# KiCad board pcb.kicad_pcb (continued)
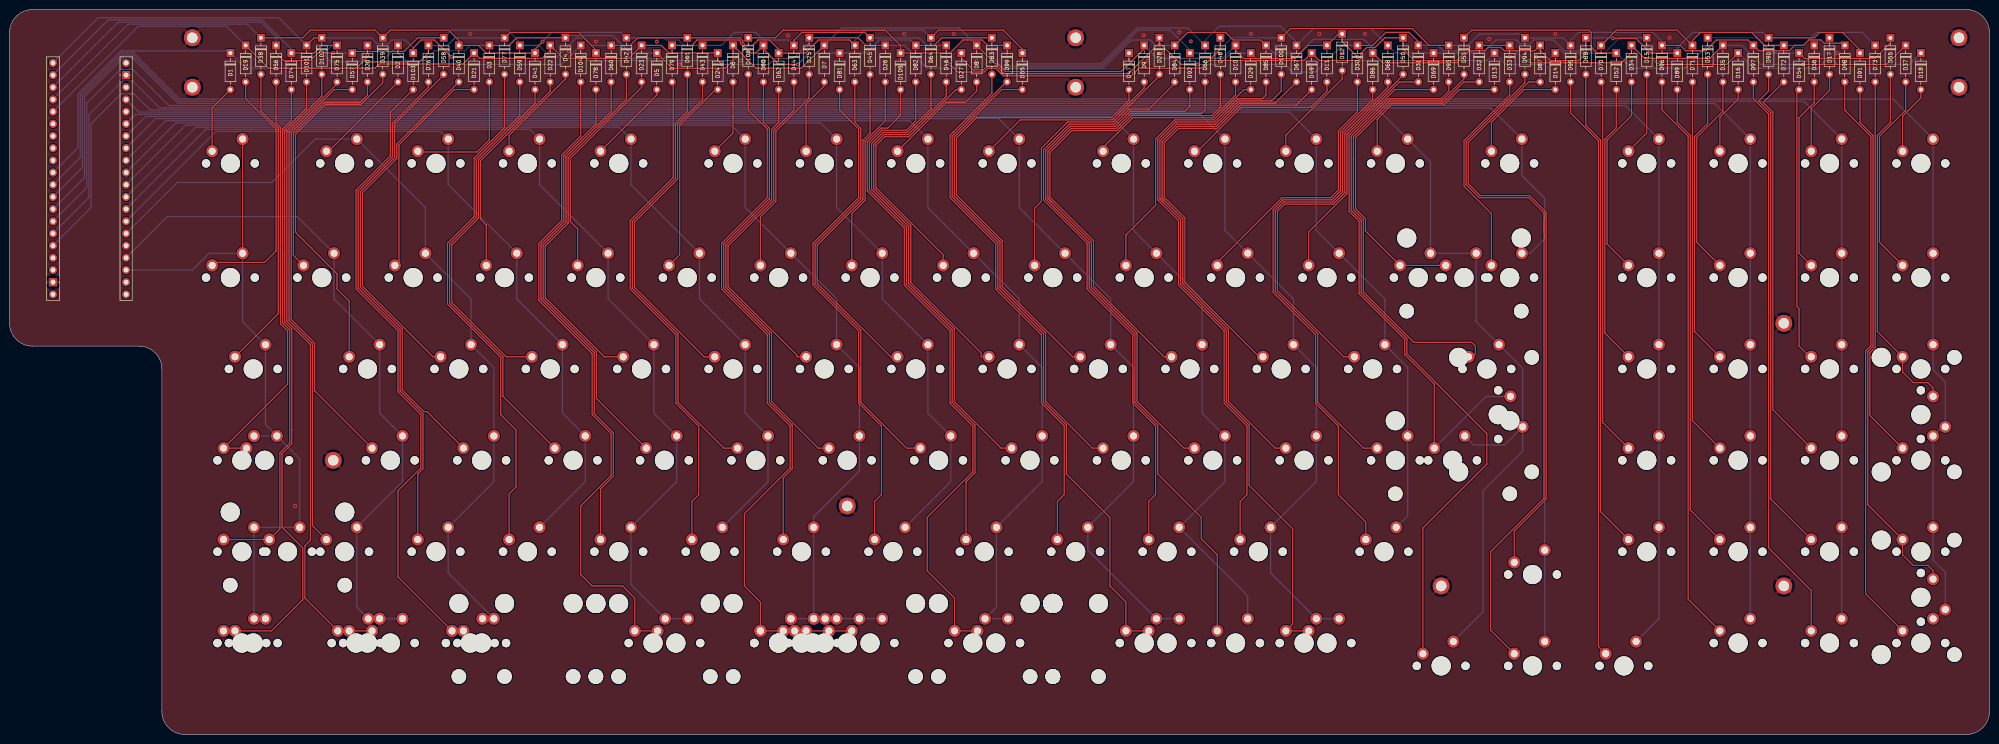
[diagram p0: board, top side]
## Nets
+3V3: U1.20 U1.38
GND: MH2.1 NOREF.1 NOREF#2.1 NOREF#3.1 NOREF#4.1 NOREF#5.1 NOREF#6.1 NOREF#7.1 NOREF#8.1 NOREF#9.1 NOREF#10.1 U1.19 U1.39
COL0: SW1.2 SW20.2 SW40.2 SW59.2 SW77.2 SW78.2 SW80.2 SW99.2 SW114.2 U1.23
COL1: SW21.2 SW41.2 SW60.2 SW81.2 SW98.2 SW113.2 SW121.2 U1.24
COL2: SW2.2 SW22.2 SW42.2 SW61.2 SW82.2 SW100.2 SW115.2 U1.26
COL3: SW3.2 SW23.2 SW43.2 SW62.2 SW83.2 U1.27
COL4: SW4.2 SW24.2 SW44.2 SW63.2 SW84.2 SW101.2 SW116.2 U1.28
COL5: SW5.2 SW25.2 SW45.2 SW64.2 SW85.2 U1.29
COL6: SW6.2 SW26.2 SW46.2 SW65.2 SW86.2 SW102.2 SW117.2 SW122.2 SW123.2 SW124.2 SW125.2 SW126.2 U1.30
COL7: SW7.2 SW27.2 SW47.2 SW66.2 SW87.2 U1.31
COL8: SW8.2 SW28.2 SW48.2 SW67.2 SW88.2 SW103.2 SW118.2 U1.32
COL9: SW9.2 SW29.2 SW49.2 SW68.2 SW89.2 SW104.2 SW119.2 U1.33
COL10: SW10.2 SW30.2 SW50.2 SW69.2 SW90.2 SW105.2 U1.34
COL11: SW11.2 SW31.2 SW51.2 SW70.2 SW91.2 SW106.2 SW120.2 U1.35
COL12: SW12.2 SW32.2 SW52.2 SW71.2 SW92.2 U1.37
COL13: SW13.2 SW19.2 SW33.2 SW53.2 SW58.2 SW72.2 SW107.2 U1.16
COL14: SW14.2 SW34.2 SW93.2 SW108.2 U1.15
COL15: SW15.2 SW35.2 SW54.2 SW73.2 SW94.2 SW109.2 U1.14
COL16: SW16.2 SW36.2 SW55.2 SW74.2 SW95.2 SW110.2 U1.13
COL17: SW17.2 SW37.2 SW56.2 SW75.2 SW96.2 SW111.2 U1.12
COL18: SW18.2 SW38.2 SW39.2 SW57.2 SW76.2 SW79.2 SW97.2 SW112.2 U1.11
ROW0: D1.1 D2.1 D3.1 D4.1 D5.1 D6.1 D7.1 D8.1 D9.1 D10.1 D11.1 D12.1 D13.1 D14.1 D15.1 D16.1 D17.1 D18.1 U1.10
ROW1: D19.1 D20.1 D21.1 D22.1 D23.1 D24.1 D25.1 D26.1 D27.1 D28.1 D29.1 D30.1 D31.1 D32.1 D33.1 D34.1 D35.1 D36.1 D37.1 U1.5
ROW2: D38.1 D39.1 D40.1 D41.1 D42.1 D43.1 D44.1 D45.1 D46.1 D47.1 D48.1 D49.1 D50.1 D51.1 D52.1 D53.1 D54.1 D55.1 U1.4
ROW3: D56.1 D57.1 D58.1 D59.1 D60.1 D61.1 D62.1 D63.1 D64.1 D65.1 D66.1 D67.1 D68.1 D69.1 D70.1 D71.1 D72.1 D73.1 U1.3
ROW4: D74.1 D75.1 D76.1 D77.1 D78.1 D79.1 D80.1 D81.1 D82.1 D83.1 D84.1 D85.1 D86.1 D87.1 D88.1 D89.1 D90.1 D91.1 U1.2
ROW5: D92.1 D93.1 D94.1 D95.1 D96.1 D97.1 D98.1 D99.1 D100.1 D101.1 D102.1 D103.1 D104.1 D105.1 D106.1 U1.1
Net-(D1-Pad2): D1.2 SW1.1
Net-(D2-Pad2): D2.2 SW2.1
Net-(D3-Pad2): D3.2 SW3.1
Net-(D4-Pad2): D4.2 SW4.1
Net-(D5-Pad2): D5.2 SW5.1
Net-(D6-Pad2): D6.2 SW6.1
Net-(D7-Pad2): D7.2 SW7.1
Net-(D8-Pad2): D8.2 SW8.1
Net-(D9-Pad2): D9.2 SW9.1
Net-(D10-Pad2): D10.2 SW10.1
Net-(D11-Pad2): D11.2 SW11.1
Net-(D12-Pad2): D12.2 SW12.1
Net-(D13-Pad2): D13.2 SW13.1
Net-(D14-Pad2): D14.2 SW14.1
Net-(D15-Pad2): D15.2 SW15.1
Net-(D16-Pad2): D16.2 SW16.1
Net-(D17-Pad2): D17.2 SW17.1
Net-(D18-Pad2): D18.2 SW18.1
Net-(D19-Pad2): D19.2 SW20.1
Net-(D20-Pad2): D20.2 SW21.1
Net-(D21-Pad2): D21.2 SW22.1
Net-(D22-Pad2): D22.2 SW23.1
Net-(D23-Pad2): D23.2 SW24.1
Net-(D24-Pad2): D24.2 SW25.1
Net-(D25-Pad2): D25.2 SW26.1
Net-(D26-Pad2): D26.2 SW27.1
Net-(D27-Pad2): D27.2 SW28.1
Net-(D28-Pad2): D28.2 SW29.1
Net-(D29-Pad2): D29.2 SW30.1
Net-(D30-Pad2): D30.2 SW31.1
Net-(D31-Pad2): D31.2 SW32.1
Net-(D32-Pad2): D32.2 SW19.1 SW33.1
Net-(D33-Pad2): D33.2 SW34.1
Net-(D34-Pad2): D34.2 SW35.1
Net-(D35-Pad2): D35.2 SW36.1
Net-(D36-Pad2): D36.2 SW37.1
Net-(D37-Pad2): D37.2 SW38.1
Net-(D38-Pad2): D38.2 SW40.1
Net-(D39-Pad2): D39.2 SW41.1
Net-(D40-Pad2): D40.2 SW42.1
Net-(D41-Pad2): D41.2 SW43.1
Net-(D42-Pad2): D42.2 SW44.1
Net-(D43-Pad2): D43.2 SW45.1
Net-(D44-Pad2): D44.2 SW46.1
Net-(D45-Pad2): D45.2 SW47.1
Net-(D46-Pad2): D46.2 SW48.1
Net-(D47-Pad2): D47.2 SW49.1
Net-(D48-Pad2): D48.2 SW50.1
Net-(D49-Pad2): D49.2 SW51.1
Net-(D50-Pad2): D50.2 SW52.1
Net-(D51-Pad2): D51.2 SW53.1
Net-(D52-Pad2): D52.2 SW54.1
Net-(D53-Pad2): D53.2 SW55.1
Net-(D54-Pad2): D54.2 SW56.1
Net-(D55-Pad2): D55.2 SW39.1 SW57.1
Net-(D56-Pad2): D56.2 SW59.1 SW77.1
Net-(D57-Pad2): D57.2 SW60.1
Net-(D58-Pad2): D58.2 SW61.1
Net-(D59-Pad2): D59.2 SW62.1
Net-(D60-Pad2): D60.2 SW63.1
Net-(D61-Pad2): D61.2 SW64.1
Net-(D62-Pad2): D62.2 SW65.1
Net-(D63-Pad2): D63.2 SW66.1
Net-(D64-Pad2): D64.2 SW67.1
Net-(D65-Pad2): D65.2 SW68.1
Net-(D66-Pad2): D66.2 SW69.1
Net-(D67-Pad2): D67.2 SW70.1
Net-(D68-Pad2): D68.2 SW71.1
Net-(D69-Pad2): D69.2 SW58.1 SW72.1
Net-(D70-Pad2): D70.2 SW73.1
Net-(D71-Pad2): D71.2 SW74.1
Net-(D72-Pad2): D72.2 SW75.1
Net-(D73-Pad2): D73.2 SW76.1
Net-(D74-Pad2): D74.2 SW78.1 SW80.1
Net-(D75-Pad2): D75.2 SW81.1
Net-(D76-Pad2): D76.2 SW82.1
Net-(D77-Pad2): D77.2 SW83.1
Net-(D78-Pad2): D78.2 SW84.1
Net-(D79-Pad2): D79.2 SW85.1
Net-(D80-Pad2): D80.2 SW86.1
Net-(D81-Pad2): D81.2 SW87.1
Net-(D82-Pad2): D82.2 SW88.1
Net-(D83-Pad2): D83.2 SW89.1
Net-(D84-Pad2): D84.2 SW90.1
Net-(D85-Pad2): D85.2 SW91.1
Net-(D86-Pad2): D86.2 SW92.1
Net-(D87-Pad2): D87.2 SW93.1
Net-(D88-Pad2): D88.2 SW94.1
Net-(D89-Pad2): D89.2 SW95.1
Net-(D90-Pad2): D90.2 SW96.1
Net-(D91-Pad2): D91.2 SW79.1 SW97.1
Net-(D92-Pad2): D92.2 SW105.1
Net-(D93-Pad2): D93.2 SW107.1
Net-(D94-Pad2): D94.2 SW108.1
Net-(D95-Pad2): D95.2 SW109.1
Net-(D96-Pad2): D96.2 SW110.1
Net-(D97-Pad2): D97.2 SW111.1
Net-(D98-Pad2): D98.2 SW112.1
Net-(D99-Pad2): D99.2 SW104.1 SW119.1
Net-(D100-Pad2): D100.2 SW106.1 SW120.1
Net-(D101-Pad2): D101.2 SW99.1 SW114.1
Net-(D102-Pad2): D102.2 SW98.1 SW113.1 SW121.1
Net-(D103-Pad2): D103.2 SW100.1 SW115.1
Net-(D104-Pad2): D104.2 SW101.1 SW116.1
Net-(D105-Pad2): D105.2 SW103.1 SW118.1
Net-(D106-Pad2): D106.2 SW102.1 SW117.1 SW122.1 SW123.1 SW124.1 SW125.1 SW126.1

Pads without a net: U1 6 7 8 9 17 18 21 22 25 36 40

## Via types
v1: diameter 0.8, hole 0.4, Top to Bottom, 45 vias

## Routing (per net, layer and track width the routed paths; a pad name or vN(x,y) marks a point on that pad's centre or on a via; arc(x,y) is an arc through that point)
GND:
  vias: v1(59.53,47.62) v1(96.04,146.05) v1(116.58,142.45) v1(122.24,144.46) v1(139.7,139.7) v1(152.4,140.49) v1(162.31,145.72) v1(186.53,146.05) v1(192.09,140.49) v1(196.85,146.05) v1(201.61,140.49) v1(236.43,145.75) v1(237.33,140.49) v1(243.83,146.42) v1(258.76,146.05) v1(271.17,139.53) v1(273.05,146.05) v1(282.57,146.05) v1(308.46,145) v1(312.74,141.29) v1(318.29,141.29) v1(322.26,146.05) v1(346.07,145.26) v1(381,142.08)
(no net):
  vias: v1(134.94,144.46) v1(141.29,141.29) v1(157.16,140.49) v1(240.51,142.08) v1(246.26,144.5) v1(277.81,142.08)
COL0: length 147.3
  Top w0.25: SW1.2 SW20.2
  Bottom w0.25: U1.23 38.1,96.84 41.59,100.33 SW20.2 48.58,86.04 SW40.2 53.34,64.61 SW59.2 ; SW59.2 60.48,57.47 SW78.2 SW80.2 SW99.2 SW114.2 ; SW59.2 SW77.2
COL1: length 144.2
  Bottom w0.25: SW113.2 SW98.2 72.39,26.51 SW81.2 81.92,52.71 SW60.2 77.15,66.99 SW41.2 67.63,90.81 SW21.2 60.01,107.95 32.86,107.95 U1.24
COL2: length 178.4
  Bottom w0.25: U1.26 34.92,115.09 54.69,115.09 63.74,124.14 SW2.2 86.68,109.85 SW22.2 96.2,90.81 SW42.2 100.96,76.52 SW61.2 100.96,52.71 91.44,43.18 91.44,33.66 SW115.2 SW100.2
COL3: length 172.3
  Bottom w0.25: U1.27 43.01,125.72 89.87,125.72 91.44,124.14 91.44,114.62 SW23.2 105.73,90.81 SW43.2 115.25,66.99 SW62.2 120.02,52.71 SW83.2
COL4: length 217.4
  Bottom w0.25: U1.28 40.92,126.17 108.47,126.17 SW4.2 110.49,114.62 SW24.2 124.78,90.81 SW44.2 134.3,66.99 SW63.2 139.06,52.71 SW84.2 129.54,31.27 SW116.2 SW101.2
COL5: length 209
  Bottom w0.25: U1.29 38.83,126.62 127.07,126.62 SW5.2 129.54,114.62 SW25.2 143.83,90.81 SW45.2 153.35,66.99 SW64.2 158.12,52.71 SW85.2
COL6: length 268.3
  Bottom w0.25: U1.30 36.74,127.07 150.43,127.07 SW6.2 153.35,109.85 SW26.2 172.4,90.81 SW46.2 177.17,76.52 SW65.2 177.17,54.93 167.64,45.4 SW86.2 SW126.2 ; SW123.2 SW124.2
COL7: length 248.6
  Bottom w0.25: U1.31 34.65,127.52 169.03,127.52 SW7.2 172.4,109.85 SW27.2 181.93,90.81 SW47.2 191.45,66.99 SW66.2 196.21,52.71 SW87.2
COL8: length 291.7
  Bottom w0.25: U1.32 32.56,127.96 187.63,127.96 SW8.2 191.45,109.85 SW28.2 210.5,90.81 SW48.2 215.26,76.52 SW67.2 215.26,52.71 SW88.2 205.74,26.51 SW118.2 SW103.2
COL9: length 315
  Bottom w0.25: SW119.2 SW104.2 224.79,38.42 224.79,43.18 234.31,52.71 SW68.2 234.31,76.52 SW49.2 229.55,90.81 SW29.2 210.5,109.85 SW9.2 206.23,128.41 30.47,128.41 U1.33
COL10: length 331.4
  Bottom w0.25: U1.34 28.37,128.86 229.59,128.86 SW10.2 234.31,105.09 SW30.2 248.6,90.81 SW50.2 248.6,66.99 SW69.2 253.37,52.71 SW90.2 258.13,28.89 SW105.2
COL11: length 352.6
  Bottom w0.25: U1.35 26.28,129.31 248.19,129.31 SW11.2 253.37,105.09 SW31.2 267.65,90.81 SW51.2 272.41,76.52 SW70.2 272.41,52.71 SW91.2 262.89,33.66 SW120.2 SW106.2
COL12: length 341.4
  Bottom w0.25: SW92.2 291.46,45.56 SW71.2 291.46,76.52 SW52.2 286.7,90.81 SW32.2 272.41,105.09 SW12.2 266.79,129.76 26.92,129.76 U1.37
COL13: length 450.5
  Bottom w0.25: 42.9,130.21 285.4,130.21 SW13.2 296.23,119.38 SW33.2 SW19.2 305.75,86.36 305.59,86.2 SW53.2 315.44,76.36 SW58.2 ; 42.9,130.21 42.86,130.21 ; 42.9,130.21 29.33,130.21 25.97,133.57 23.24,133.57 16.98,127.32 16.98,109.85 U1.16 ; SW58.2 315.44,59.06 307.16,50.78 307.16,25.54 SW107.2 ; SW58.2 311.65,60.35 305.26,60.35 SW72.2
COL14: length 452.6
  Bottom w0.25: 320.04,108.59 320.04,103.35 317.02,100.33 SW34.2 ; 320.04,108.59 320.04,111.76 315.28,116.52 SW14.2 308.76,130.66 31.26,130.66 25.62,136.3 23.59,136.3 16.54,129.25 16.54,111.94 U1.15 ; 320.04,108.59 SW108.2
COL15: length 471
  Bottom w0.25: 339.09,19.37 343.85,24.13 SW94.2 SW15.2 336.88,131.11 33.19,131.11 25.65,138.65 23.11,138.65 16.09,131.62 16.09,114.03 U1.14
COL16: length 483.9
  Bottom w0.25: SW110.2 SW16.2 355.48,131.56 35.13,131.56 25.5,141.19 23.8,141.19 15.64,133.03 15.64,116.12 U1.13
COL17: length 501.2
  Bottom w0.25: SW111.2 SW17.2 374.08,132.01 35.31,132.01 25.68,141.64 23.62,141.64 15.19,133.21 15.19,118.22 U1.12
COL18: length 523.4
  Bottom w0.25: U1.11 14.74,120.31 14.74,133.4 23.43,142.09 25.87,142.09 35.5,132.46 392.69,132.46 SW18.2 SW57.2 401,76.04 403.54,73.5 SW39.2 402.91,64.13 SW76.2 SW97.2 401,36.35 403.54,33.81 SW79.2 401.64,24.13 SW112.2
ROW0: length 459.9
  Top w0.25: D16.1 357.98,139.7 v1(343.69,139.7) ; D8.1 205.48,139.81 205.95,139.81 207.54,138.22 231.75,138.22 236.54,143.01 D9.1 ; D7.1 165.1,138.91 155.57,138.91 D6.1 150.81,140.49 149.23,138.91 138.11,138.91 D5.1 ; D4.1 105.7,145.26 104.11,143.67 D3.1 ; v1(280.99,141.29) 277.81,144.46 D12.1 277.02,146.05 D11.1 270.67,143.67 267.94,140.94 257.26,140.94 255.59,142.62 D10.1
  Bottom w0.25: D10.1 252.88,140.96 239.25,140.96 D9.1 ; D18.1 396.08,139.7 381,139.7 379.41,141.29 ; v1(343.69,139.7) 341.31,142.08 D15.1 335.62,145.26 332.46,142.09 323.99,142.09 323.14,142.95 D14.1 319.88,139.7 311.94,139.7 D13.1 307.97,140.49 281.78,140.49 v1(280.99,141.29) ; D16.1 363.54,138.91 377.03,138.91 379.41,141.29 ; 379.41,141.29 D17.1 ; D3.1 96.04,143.67 94.92,142.54 88.57,142.54 86.52,140.49 82.55,140.49 80.96,142.08 D2.1 76.2,138.91 49.21,138.91 D1.1 45.58,142.54 23.24,142.54 14.29,133.58 14.29,122.4 U1.10 ; D8.1 197.99,147.29 173.49,147.29 D7.1 ; D4.1 116.34,145.71 125.76,145.71 129.38,142.08 D5.1
ROW1: length 452
  Top w0.25: 71.44,138.91 76.2,138.91 77.08,139.78 94.54,139.78 D21.1 97.96,140.96 111.05,140.96 112.71,142.62 D22.1 115.42,140.96 129.05,140.96 D23.1 135.86,143.67 137.45,142.08 D24.1 147.64,140.49 v1(148.43,139.7) ; 71.44,138.91 53.98,138.91 D19.1 ; 71.44,138.91 72.23,138.91 74.61,141.29 v1(74.61,141.68) ; D37.1 391.32,139.7 v1(373.86,139.7) ; 239.71,144.21 244.22,139.7 v1(247.65,139.7) ; 239.71,144.21 233.27,137.77 207.35,137.77 205.77,139.36 203.81,139.36 203.01,138.56 200.91,138.56 198.44,141.03 D27.1 ; 239.71,144.21 D28.1 ; D25.1 176.87,145.26 178.46,143.67 D26.1 ; D31.1 293.69,144.46 291.77,146.38 286.87,146.38 284.16,143.67 D30.1 ; v1(316.71,140.49) 317.16,140.04 336.1,140.04 338.14,142.08 D34.1 340.85,140.96 354.48,140.96 D35.1 ; D32.1 D33.1
  Bottom w0.25: D36.1 376.24,142.08 v1(373.86,139.7) 365.12,139.7 361.16,143.67 D35.1 ; v1(247.65,139.7) 252.25,139.7 254.64,142.08 D29.1 261.14,139.7 265.91,139.7 267.49,138.11 272.26,138.11 277.81,143.67 D30.1 ; D25.1 166.69,144.21 163.44,140.96 159.54,140.96 158.29,139.7 v1(148.43,139.7) ; D26.1 186.53,143.67 191.29,138.91 197.64,138.91 198.44,139.7 D27.1 ; D33.1 315.91,140.49 v1(316.71,140.49) ; D31.1 297.79,143.67 298.91,142.54 305.26,142.54 D32.1 ; v1(74.61,141.68) D20.1 ; U1.5 26.83,147.64 45.24,147.64 D19.1
ROW2: length 445.2
  Top w0.25: D38.1 61.12,145.26 62.71,146.84 76.2,146.84 D39.1 79.38,146.84 91.54,146.84 93.66,144.72 D40.1 97.76,143.67 99.35,142.08 D41.1 109.54,142.88 v1(111.13,144.46) ; D48.1 252.41,142.88 250.03,140.49 ; 250.03,140.49 269.88,140.49 D49.1 273.05,140.49 281.22,140.49 281.71,140.99 281.71,142.01 282.92,143.22 284.64,143.22 286.68,145.26 D50.1 290.51,142.88 292.89,140.49 301.62,140.49 303.21,142.08 D51.1 304.8,146.84 329.27,146.84 329.74,146.38 329.74,143.34 330.99,142.08 D52.1 ; 250.03,140.49 248.44,138.91 235.44,138.91 v1(234.4,137.87) 233.85,137.32 207.17,137.32 205.58,138.91 203.99,138.91 203.2,138.11 197.64,138.11 v1(196.06,139.7) ; D55.1 392.11,144.21 388.86,140.96 374.19,140.96 D54.1 ; D44.1 163.51,144.72 165.17,146.38 178.26,146.38 D45.1
  Bottom w0.25: D44.1 162.39,144.79 157.16,144.79 155.57,146.38 151.14,146.38 148.43,143.67 D43.1 140.63,143.67 139.5,144.79 136.99,144.79 136.52,145.26 D42.1 127.46,146.38 113.04,146.38 v1(111.13,144.46) ; v1(196.06,139.7) 195.26,140.49 D46.1 191.16,143.67 189.57,145.26 D45.1 ; U1.4 24.74,148.09 49.56,148.09 D38.1 ; D52.1 338.14,138.91 349.25,138.91 354.01,143.67 D53.1 364.2,145.26 367.37,142.08 D54.1 ; v1(234.4,137.87) 234.4,139.46 233.36,140.49 D47.1
ROW3: length 434.5
  Top w0.25: D64.1 193.68,146.84 207.17,146.84 211.14,142.88 D65.1 ; D63.1 175.09,144.79 168.61,144.79 165.89,142.08 D62.1 160.34,142.88 158.42,144.79 156.04,144.79 154.91,143.67 153.43,143.67 152.85,144.25 152.85,144.65 152.24,145.26 D61.1 130.97,145.26 129.38,143.67 D60.1 ; D58.1 85.06,145.26 82.21,142.41 71.76,142.41 D57.1 ; D56.1 55.56,142.08 57.15,140.49 62.71,140.49 64.29,142.08 v1(67.47,142.08) ; D70.1 334.96,146.84 347.66,146.84 D71.1 350.84,144.72 352.5,146.38 363.21,146.38 365.92,143.67 D72.1
  Bottom w0.25: D63.1 176.21,144.72 178.34,146.84 190.5,146.84 D64.1 ; D60.1 121.44,143.67 119.86,145.26 118.14,145.26 114.17,141.29 112.71,141.29 110.33,143.67 D59.1 106.36,144.33 103.85,146.84 92.08,146.84 D58.1 ; D73.1 386.23,146.38 376.7,146.38 373.99,143.67 D72.1 ; v1(67.47,142.08) D57.1 ; D56.1 55.56,145.41 52.44,148.54 22.65,148.54 U1.3 ; D65.1 211.14,140.49 211.83,139.81 227.57,139.81 235.05,147.29 245.61,147.29 D66.1 249.24,144.72 252.16,147.64 264.98,147.64 268.29,144.33 D67.1 271.79,147.17 283.83,147.17 D68.1 288.93,142.08 D69.1 307.18,142.08 309.91,144.81 314.11,144.81 314.79,144.13 317.04,144.13 317.71,144.81 321.92,144.81 324.18,142.54 330.66,142.54 D70.1
ROW4: length 437.3
  Top w0.25: v1(164.31,139.7) 160.34,139.7 157.16,142.88 D80.1 155.57,142.08 154.38,142.08 152.4,144.07 152.4,144.46 152.07,144.79 143.34,144.79 142.54,144 142.54,143.67 D79.1 ; D83.1 194.34,145.26 192.75,143.67 D82.1 ; D90.1 376.24,145.26 377.36,146.38 382.12,146.38 385.76,142.74 D91.1 ; D76.1 87.31,142.08 85.46,140.23 v1(74.73,140.23) ; D88.1 328.61,142.08 327.02,140.49 321.21,140.49 319.09,142.62 D87.1 317.96,142.54 311.61,142.54 310.94,143.22 308.19,143.22 307.51,142.54 304.31,142.54 301.81,140.04 286.2,140.04 D86.1 ; v1(334.28,145.14) 339.05,145.14 342.11,142.08 D89.1 ; D74.1 63.5,142.08 65.09,143.67 D75.1 ; D85.1 260.81,144.79 255.12,144.79 253.54,146.38 245.6,146.38 D84.1 ; D78.1 122.24,142.74 118.6,146.38 104.31,146.38 D77.1
  Bottom w0.25: D79.1 138.11,142.62 136.45,140.96 123.36,140.96 D78.1 ; D86.1 284.16,143.13 282.37,144.93 271.79,144.93 268.95,142.08 263.52,142.08 D85.1 ; D88.1 334.17,145.26 v1(334.28,145.14) ; D84.1 238.92,143.67 237.79,144.79 233.83,144.79 227.94,138.91 207.17,138.91 204.79,141.29 D83.1 ; D76.1 91.28,143.67 92.87,145.26 D77.1 ; v1(74.73,140.23) 66.94,140.23 65.88,141.29 65.88,142.34 67.21,143.67 D75.1 ; D74.1 58.74,142.88 52.63,148.99 20.56,148.99 U1.2 ; D82.1 187.79,144.79 181.31,144.79 178.59,142.08 D81.1 166.69,142.08 v1(164.31,139.7) ; D89.1 347.66,143.13 350.91,146.38 365.59,146.38 D90.1
ROW5: length 420.9
  Top w0.25: D101.1 63.5,145.26 D102.1 ; D100.1 267.03,147.17 292.43,147.17 295.94,143.67 D93.1 ; D99.1 203.86,143.67 202.74,144.79 199.69,144.79 199.68,144.81 198.78,144.81 196.06,142.08 D105.1 185.74,143.67 182.58,146.83 161.28,146.83 161.26,146.84 159.68,145.26 D106.1 ; v1(92.08,141.29) 88.57,144.79 85.8,144.79 84.14,143.13 D103.1 ; D98.1 382.12,144.13 378.29,144.13 377.61,144.81 375.13,144.81 373.99,143.67 372.14,143.67 371.01,142.54 364.66,142.54 D97.1 362.41,144.79 355.81,144.79 353.56,142.54 349.45,142.54 348.32,143.67 D96.1
  Bottom w0.25: D93.1 304.01,143.67 306.39,146.05 315.12,146.05 D94.1 323.85,145.26 D95.1 325.44,144.72 327.1,146.38 342.57,146.38 344.49,144.46 D96.1 ; D102.1 75.41,145.26 76.53,144.13 79.04,144.13 79.71,144.79 82.48,144.79 84.14,143.13 D103.1 ; D99.1 207.96,139.7 208.31,139.36 227.75,139.36 235.24,146.84 241.96,146.84 246.06,142.74 D92.1 251.62,142.08 254.79,145.26 D100.1 ; D106.1 153.99,143.67 150.81,140.49 120.65,140.49 119.06,142.08 D104.1 115.09,139.7 93.66,139.7 v1(92.08,141.29) ; D101.1 56.15,149.44 18.47,149.44 U1.1
Net-(D1-Pad2): length 14.4
  Top w0.25: D1.2 42.23,130.65 SW1.1
Net-(D2-Pad2): length 20.9
  Top w0.25: SW2.1 66.52,121.6 D2.2
Net-(D3-Pad2): length 28.1
  Top w0.25: D3.2 100.01,123.99 97.47,121.44 85.25,121.44 SW3.1
Net-(D4-Pad2): length 21
  Top w0.25: SW4.1 104.14,124.94 115.73,136.53 115.89,136.53 D4.2
Net-(D5-Pad2): length 17.7
  Top w0.25: D5.2 134.94,133.35 SW5.1
Net-(D6-Pad2): length 16
  Top w0.25: D6.2 150.81,125.41 SW6.1
Net-(D7-Pad2): length 16
  Top w0.25: SW7.1 166.05,131.44 169.86,135.25 D7.2
Net-(D8-Pad2): length 23.6
  Top w0.25: D8.2 201.61,134.14 199.23,131.76 195.26,131.76 SW8.1
Net-(D9-Pad2): length 39.1
  Top w0.25: D9.2 236.54,134.78 229.9,128.14 210.69,128.14 SW9.1
Net-(D10-Pad2): length 35.7
  Top w0.25: SW10.1 227.96,122.4 231.01,125.44 231.01,125.44 234.16,128.59 250.82,128.59 255.59,133.35 D10.2
Net-(D11-Pad2): length 35.6
  Top w0.25: 247.65,122.24 SW11.1 247.65,121.6 256.81,130.76 271.25,130.76 274.64,134.14 D11.2
Net-(D12-Pad2): length 22.6
  Top w0.25: D12.2 277.81,136.68 266.06,124.94 SW12.1 266.7,122.24
Net-(D13-Pad2): length 33.7
  Top w0.25: D13.2 302.26,134.46 299.01,131.21 288.06,131.21 285.12,128.26 SW13.1
Net-(D14-Pad2): length 22.2
  Top w0.25: D14.2 315.76,134.46 308.93,127.63 SW14.1
Net-(D15-Pad2): length 17.6
  Top w0.25: SW15.1 341.31,125.41 D15.2
Net-(D16-Pad2): length 14.4
  Top w0.25: SW16.1 356.55,128.67 360.36,132.48 D16.2
Net-(D17-Pad2): length 17.6
  Top w0.25: SW17.1 375.6,130.49 379.41,134.3 D17.2
Net-(D18-Pad2): length 14.4
  Top w0.25: SW18.1 394.65,128.9 398.46,132.71 D18.2
Net-(D19-Pad2): length 52.5
  Top w0.25: SW20.1 42.86,98.43 53.18,98.43 55.56,100.81 55.56,126.21 49.21,132.56 D19.2
Net-(D20-Pad2): length 49.9
  Top w0.25: D20.2 74.61,133.35 73.02,131.76 65.65,131.76 59.16,125.28 59.16,99.91 SW21.1
Net-(D21-Pad2): length 45.9
  Top w0.25: D21.2 92.71,134.46 81.17,122.92 81.17,98.64 SW22.1
Net-(D22-Pad2): length 44.8
  Top w0.25: SW23.1 99.38,106.2 98.19,107.4 98.19,119.62 112.71,134.14 D22.2
Net-(D23-Pad2): length 45.1
  Top w0.25: SW24.1 118.43,105.41 116.89,106.95 116.89,120.07 131.76,134.94 D23.2
Net-(D24-Pad2): length 41.2
  Top w0.25: SW25.1 139.7,100.01 139.7,127 147.16,134.46 D24.2
Net-(D25-Pad2): length 44.1
  Top w0.25: D25.2 166.69,132.71 159.75,125.78 159.75,111.17 156.53,107.95 SW26.1
Net-(D26-Pad2): length 41.2
  Top w0.25: D26.2 182.56,127.95 178.35,123.74 178.35,111.36 175.58,108.58 SW27.1
Net-(D27-Pad2): length 53.5
  Top w0.25: SW28.1 194.63,100.02 180.6,114.04 180.6,122.81 182.41,124.62 187.48,124.62 197.33,134.46 D27.2
Net-(D28-Pad2): length 56.2
  Top w0.25: SW29.1 213.68,109.7 215.11,111.12 215.11,122.24 220.56,127.69 230.08,127.69 239.71,137.32 D28.2
Net-(D29-Pad2): length 53
  Top w0.25: D29.2 257.33,134.46 251.01,128.14 242.91,128.14 238.92,124.14 238.92,110.33 232.73,104.14 SW30.1
Net-(D30-Pad2): length 56.3
  Top w0.25: D30.2 280.99,129.86 277.02,125.89 277.02,113.51 275.43,111.92 265.27,111.92 251.78,98.43 SW31.1
Net-(D31-Pad2): length 50.1
  Top w0.25: D31.2 289.72,136.05 278.82,125.15 278.82,112.76 270.83,104.77 SW32.1
Net-(D32-Pad2): length 70.6
  Top w0.25: D32.2 303.21,136.05 298.82,131.66 287.87,131.66 280.61,124.4 280.61,109.59 282.68,107.53 282.68,104.99 SW33.1 SW19.1
Net-(D33-Pad2): length 44.6
  Top w0.25: SW34.1 308.93,108.59 303.21,114.3 303.21,123.82 312.74,133.35 D33.2
Net-(D34-Pad2): length 42.2
  Top w0.25: SW35.1 333.03,102.26 333.03,123.93 338.14,129.04 D34.2
Net-(D35-Pad2): length 42.5
  Top w0.25: D35.2 357.19,129.94 351.74,124.49 351.74,102.61 SW36.1
Net-(D36-Pad2): length 40.6
  Top w0.25: SW37.1 373.06,100.33 373.06,128.59 376.24,131.76 D36.2
Net-(D37-Pad2): length 42.5
  Top w0.25: D37.2 395.29,130.18 389.84,124.72 389.84,102.61 SW38.1
Net-(D38-Pad2): length 64.1
  Top w0.25: D38.2 52.39,130.02 56.01,126.39 56.01,87.76 SW40.1
Net-(D39-Pad2): length 75.4
  Top w0.25: SW41.1 70.8,90.33 68.26,92.87 68.26,96.04 59.61,104.7 59.61,125.09 65.83,131.31 73.21,131.31 77.79,135.89 D39.2
Net-(D40-Pad2): length 73.3
  Top w0.25: D40.2 80.72,123.11 80.72,120.09 73.58,112.95 73.58,93.43 88.27,78.74 SW42.1
Net-(D41-Pad2): length 73
  Top w0.25: D41.2 109.54,131.6 97.74,119.8 97.74,107.58 92.18,102.02 92.18,90.07 103.51,78.74 SW43.1
Net-(D42-Pad2): length 75
  Top w0.25: D42.2 128.59,132.4 116.44,120.25 116.44,106.6 111.68,101.84 111.68,91.05 123.99,78.74 SW44.1
Net-(D43-Pad2): length 71.4
  Top w0.25: SW45.1 144.78,78.74 130.28,93.24 130.28,106.78 139.25,115.75 139.25,127.19 144.46,132.4 D43.2
Net-(D44-Pad2): length 70.9
  Top w0.25: D44.2 163.51,130.18 159.3,125.97 159.3,111.36 149.78,101.84 149.78,93.43 164.15,79.06 164.15,78.74 SW46.1
Net-(D45-Pad2): length 71.2
  Top w0.25: SW47.1 183.68,78.74 168.38,94.03 168.38,102.02 177.91,111.55 177.91,123.93 179.39,125.41 D45.2
Net-(D46-Pad2): length 77.4
  Top w0.25: SW48.1 202.56,78.74 202.56,79.54 187.88,94.22 187.88,106.13 180.15,113.85 180.15,123 182.22,125.07 187.3,125.07 195.26,133.03 D46.2
Net-(D47-Pad2): length 98.7
  Top w0.25: D47.2 233.36,132.24 229.71,128.59 201.61,128.59 197.41,124.38 197.4,112.48 206.93,102.95 206.93,93.43 221.62,78.74 SW49.1
Net-(D48-Pad2): length 100.3
  Top w0.25: SW50.1 240.67,78.74 225.98,93.43 225.98,102.95 216.9,112.03 216.9,121.33 221.46,125.89 230.83,125.89 233.97,129.04 250.64,129.04 252.41,130.81 D48.2
Net-(D49-Pad2): length 89
  Top w0.25: D49.2 268.21,131.21 256.62,131.21 251.76,126.34 243.66,126.34 240.72,123.4 240.72,112.03 245.03,107.71 245.03,94.22 260.51,78.74 SW51.1
Net-(D50-Pad2): length 83.6
  Top w0.25: SW52.1 278.13,78.74 264.32,92.55 264.32,109.06 265.83,110.57 275.99,110.57 278.37,112.95 278.37,125.33 290.51,137.48 D50.2
Net-(D51-Pad2): length 93.2
  Top w0.25: 280.17,119.83 280.17,109.41 282.23,107.34 282.23,92.26 292.74,81.76 304.8,81.76 305.59,80.96 305.59,79.38 304.96,78.74 304.47,78.74 ; 280.17,119.83 280.17,119.86 ; 280.17,119.83 280.17,124.59 287.69,132.11 298.64,132.11 303.21,136.68 D51.2
Net-(D52-Pad2): length 58.7
  Top w0.25: D52.2 334.96,126.5 332.58,124.12 332.58,83.66 SW54.1
Net-(D53-Pad2): length 62.2
  Top w0.25: D53.2 354.01,127.4 351.29,124.67 351.29,84.01 SW55.1
Net-(D54-Pad2): length 57.3
  Top w0.25: SW56.1 375.28,78.74 373.06,80.96 373.06,88.79 372.61,89.24 372.61,134.01 D54.2
Net-(D55-Pad2): length 74.9
  Top w0.25: SW39.1 401,72.25 399.91,73.34 396.88,73.34 394.65,75.56 SW57.1 389.39,84.01 389.39,124.91 392.11,127.64 D55.2
Net-(D56-Pad2): length 87.6
  Top w0.25: D56.2 55.56,127.48 56.46,126.58 56.46,85.62 57.94,84.14 57.94,73.03 SW77.1 SW59.1
Net-(D57-Pad2): length 89.2
  Top w0.25: SW60.1 63.61,71.65 63.61,81.65 58.71,86.55 58.71,125.46 67.71,134.46 D57.2
Net-(D58-Pad2): length 94.4
  Top w0.25: D58.2 90.49,137.48 80.27,127.26 80.27,120.28 73.13,113.13 73.13,93.24 81.86,84.51 81.86,71.81 86.36,67.31 86.99,67.31 SW61.1
Net-(D59-Pad2): length 91.5
  Top w0.25: D59.2 106.36,129.07 97.29,119.99 97.29,107.76 91.73,102.21 91.73,89.88 102.84,78.77 102.84,70.51 SW62.1
Net-(D60-Pad2): length 91.1
  Top w0.25: D60.2 125.41,129.86 115.99,120.44 115.99,106.78 111.23,102.02 111.23,90.86 122.34,79.75 122.34,70.06 SW63.1
Net-(D61-Pad2): length 93.5
  Top w0.25: D61.2 141.29,129.86 138.8,127.37 138.8,115.94 129.83,106.97 129.83,93.05 139.36,83.53 139.36,69.24 148.91,59.69 SW64.1
Net-(D62-Pad2): length 89.5
  Top w0.25: SW65.1 168.59,59.69 158.86,69.43 158.86,83.72 149.33,93.24 149.33,102.02 158.86,111.55 158.86,126.15 160.34,127.64 D62.2
Net-(D63-Pad2): length 91.6
  Top w0.25: D63.2 176.21,127.64 177.46,126.39 177.46,111.73 167.93,102.21 167.93,93.85 177.46,84.32 177.46,69.24 187.01,59.69 SW66.1
Net-(D64-Pad2): length 99.4
  Top w0.25: SW67.1 206.69,59.69 196.96,69.43 196.96,84.51 187.43,94.03 187.43,105.94 179.7,113.67 179.7,123.19 182.04,125.52 187.11,125.52 192.09,130.49 D64.2
Net-(D65-Pad2): length 97.3
  Top w0.25: D65.2 206.85,134.46 196.96,124.57 196.96,112.29 206.48,102.77 206.48,93.24 216.01,83.72 216.01,69.43 225.74,59.69 SW68.1
Net-(D66-Pad2): length 119.3
  Top w0.25: 217.33,110.97 225.53,102.77 225.53,93.24 235.06,83.72 235.06,69.43 244.79,59.69 SW69.1 ; 217.33,110.97 216.45,111.84 ; 217.33,110.97 216.45,111.84 ; 216.45,111.84 216.45,121.52 221.27,126.34 230.64,126.34 233.79,129.49 248.55,129.49 249.24,130.18 D66.2
Net-(D67-Pad2): length 109.7
  Top w0.25: 240.27,111.84 240.27,123.59 243.47,126.79 251.57,126.79 256.44,131.66 263.9,131.66 D67.2 ; 240.27,111.84 240.75,111.36 ; 240.27,111.84 240.75,111.36 ; SW70.1 263.84,59.69 254.11,69.43 254.11,84.51 244.58,94.03 244.58,107.53 240.75,111.36
Net-(D68-Pad2): length 102.5
  Top w0.25: SW71.1 282.26,59.69 272.71,69.24 272.71,83.53 263.87,92.37 263.87,109.25 265.64,111.02 275.8,111.02 277.92,113.13 277.92,125.52 287.34,134.94 D68.2
Net-(D69-Pad2): length 114.5
  Top w0.25: SW72.1 297.02,73.02 290.86,79.19 290.86,82.36 281.33,91.89 281.33,106.97 279.27,109.04 279.27,124.96 288.77,134.46 D69.2
  Bottom w0.25: SW72.1 307.82,70.49 SW58.1
Net-(D70-Pad2): length 78.7
  Top w0.25: SW73.1 332.13,65.06 332.13,135.7 D70.2
Net-(D71-Pad2): length 78.7
  Top w0.25: SW74.1 350.84,65.41 D71.2
Net-(D72-Pad2): length 82.3
  Top w0.25: D72.2 365.6,131.76 367.61,129.75 367.61,67.68 SW75.1
Net-(D73-Pad2): length 79.6
  Top w0.25: SW76.1 387.84,66.5 387.84,79.59 388.94,80.69 D73.2
Net-(D74-Pad2): length 106.8
  Top w0.25: 56.91,121.68 56.91,126.21 58.74,128.03 D74.2 ; 56.91,121.68 56.91,122 ; 56.91,121.68 56.91,85.81 58.39,84.32 58.39,60.77 56.36,58.74 56.36,42.86 SW78.1 SW80.1
Net-(D75-Pad2): length 102.8
  Top w0.25: SW81.1 63.16,43.52 63.16,81.47 58.26,86.36 58.26,125.65 68.26,135.65 D75.2
Net-(D76-Pad2): length 107.5
  Top w0.25: SW82.1 85.09,54.29 86.17,55.38 86.17,66.86 81.41,71.62 81.41,84.32 72.68,93.05 72.68,113.32 79.82,120.46 79.82,127.45 87.31,134.94 D76.2
Net-(D77-Pad2): length 108.4
  Top w0.25: SW83.1 104.14,50.16 105.57,51.59 105.57,63.5 102.39,66.68 102.39,78.58 91.28,89.69 91.28,102.39 96.84,107.95 96.84,120.18 103.19,126.53 D77.2
Net-(D78-Pad2): length 105.9
  Top w0.25: SW84.1 123.19,51.12 125.86,53.79 125.86,62.89 121.89,66.86 121.89,79.56 110.78,90.67 110.78,102.21 115.54,106.97 115.54,120.63 122.24,127.32 D78.2
Net-(D79-Pad2): length 105.7
  Top w0.25: SW85.1 142.24,48.58 143.67,50.01 143.67,64.29 138.91,69.06 138.91,83.34 129.38,92.87 129.38,107.16 138.35,116.13 138.35,135.81 D79.2
Net-(D80-Pad2): length 106.6
  Top w0.25: SW86.1 161.29,53.5 163.17,55.38 163.17,64.48 158.41,69.24 158.41,83.53 148.88,93.05 148.88,102.21 158.41,111.73 158.41,126.39 157.16,127.64 D80.2
Net-(D81-Pad2): length 105.9
  Top w0.25: D81.2 173.04,130.18 177.01,126.21 177.01,111.92 167.48,102.39 167.48,93.66 177.01,84.14 177.01,69.06 181.77,64.29 181.77,50.01 180.34,48.58 SW87.1
Net-(D82-Pad2): length 112.3
  Top w0.25: D82.2 188.91,127.96 186.92,125.97 181.85,125.97 179.25,123.37 179.25,113.48 186.98,105.75 186.98,93.85 196.51,84.32 196.51,69.24 201.27,64.48 201.27,54.58 199.39,52.7 SW88.1
Net-(D83-Pad2): length 111.3
  Top w0.25: 196.69,125.57 196.85,125.73 ; 196.69,125.57 204.79,133.67 D83.2 ; 196.69,125.57 196.06,124.94 196.06,111.92 205.58,102.39 205.58,92.87 215.11,83.34 215.11,69.06 219.87,64.29 219.87,50.01 218.44,48.58 SW89.1
Net-(D84-Pad2): length 124.9
  Top w0.25: D84.2 242.89,135.73 237.54,130.39 233.42,130.39 230.27,127.24 220.9,127.24 215.56,121.89 215.56,111.47 224.63,102.39 224.63,92.87 234.16,83.34 234.16,69.06 238.92,64.29 238.92,50.01 237.49,48.58 SW90.1
Net-(D85-Pad2): length 120.8
  Top w0.25: SW91.1 256.54,48.58 257.97,50.01 257.97,64.29 253.21,69.06 253.21,84.14 243.68,93.66 243.68,107.16 239.37,111.47 239.37,123.96 243.1,127.69 251.2,127.69 256.07,132.56 261.14,132.56 261.94,133.35 D85.2
Net-(D86-Pad2): length 116.4
  Top w0.25: D86.2 284.16,132.4 277.47,125.7 277.47,113.32 275.62,111.47 265.46,111.47 263.42,109.43 263.42,92.18 272.26,83.34 272.26,69.06 277.02,64.29 277.02,50.01 282.73,44.29 SW92.1
Net-(D87-Pad2): length 123.3
  Top w0.25: D87.2 316.71,136.05 304.11,123.45 304.11,114.83 306.57,112.37 316.89,112.37 320.33,108.93 320.33,49.03 313.69,42.39 SW93.1
